# KiCad board kb.kicad_pcb (continued)
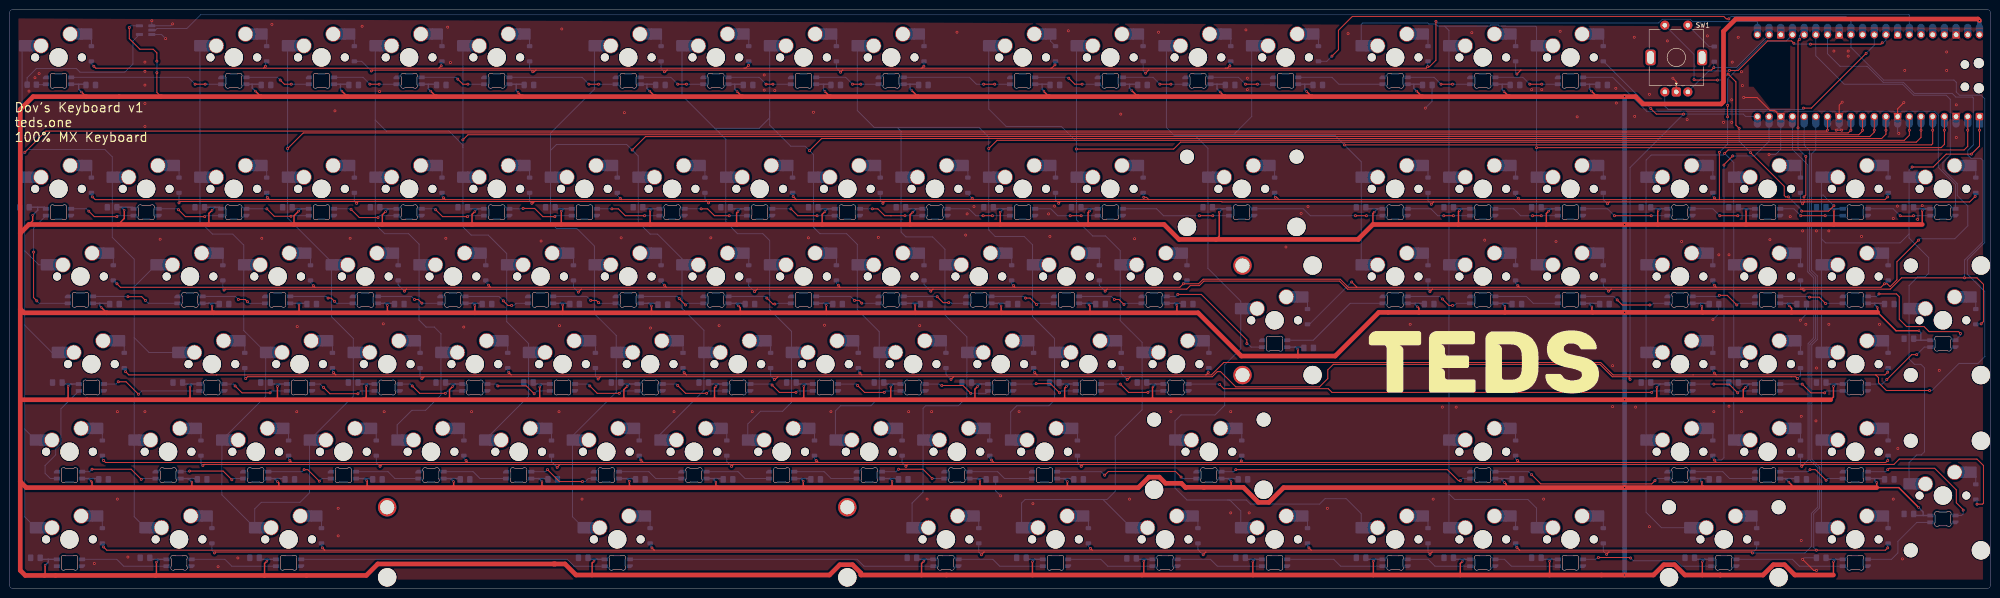
[diagram p0: board, top side]
## Routing (per net, layer and track width the routed paths; a pad name or vN(x,y) marks a point on that pad's centre or on a via; arc(x,y) is an arc through that point) (continued)
  Bottom w0.2: D101.1 308.38,7.93 v1(308.8,7.5) ; v1(259.5,7.4) 258.37,8.53 D99.1 ; v1(211.3,7.4) 210.74,7.96 D97.1 ; v1(347.2,7.5) 346.48,8.23 D103.1 ; A1.16 390.13,96.47 391.3,95.3 391.3,69.1 392.6,67.8 392.6,54.37 391.4,53.17 391.4,28.02 393.08,26.33 393.08,17.77 391.7,16.38 391.7,9.2 390.3,7.8 v1(378.9,7.8) 379.81,8.71 D104.1 ; v1(44.6,7.8) 44.06,8.34 D94.1
Net-(D1-A): length 3.1
  Bottom w0.25: D1.2 17.86,119.55 MX1.2
Net-(D2-A): length 3.1
  Bottom w0.2: D2.2 55.96,119.55 MX2.2
Net-(D3-A): length 3.1
  Bottom w0.2: MX3.2 75.01,119.55 D3.2
Net-(D4-A): length 3.1
  Bottom w0.2: D4.2 94.06,119.55 MX4.2
Net-(D5-A): length 3.1
  Bottom w0.2: MX5.2 113.11,119.55 D5.2
Net-(D6-A): length 3.1
  Bottom w0.2: D6.2 141.69,119.55 MX6.2
Net-(D7-A): length 3.1
  Bottom w0.2: MX7.2 160.74,119.55 D7.2
Net-(D8-A): length 3.1
  Bottom w0.2: D8.2 179.79,119.55 MX8.2
Net-(D9-A): length 3.1
  Bottom w0.2: D9.2 198.84,119.55 MX9.2
Net-(D10-A): length 3.1
  Bottom w0.2: MX10.2 226.36,119.02 D10.2
Net-(D11-A): length 3.1
  Bottom w0.2: MX11.2 246.46,119.55 D11.2
Net-(D12-A): length 3.1
  Bottom w0.2: MX12.2 265.51,119.55 D12.2
Net-(D13-A): length 3.1
  Bottom w0.2: MX13.2 284.56,119.55 D13.2
Net-(D14-A): length 3.1
  Bottom w0.2: D14.2 308.38,119.55 MX14.2
Net-(D15-A): length 3.1
  Bottom w0.2: D15.2 327.43,119.55 MX15.2
Net-(D16-A): length 3.1
  Bottom w0.2: MX16.2 346.48,119.55 D16.2
Net-(D17-A): length 3.1
  Bottom w0.2: D17.2 17.86,90.97 MX17.2
Net-(D18-A): length 3.1
  Bottom w0.2: MX18.2 36.91,90.97 D18.2
Net-(D19-A): length 3.1
  Bottom w0.2: D19.2 55.96,90.97 MX19.2
Net-(D20-A): length 3.1
  Bottom w0.2: D20.2 75.01,90.97 MX20.2
Net-(D21-A): length 3.1
  Bottom w0.2: MX21.2 94.06,90.97 D21.2
Net-(D22-A): length 3.1
  Bottom w0.2: D22.2 113.11,90.97 MX22.2
Net-(D23-A): length 3.1
  Bottom w0.2: MX23.2 132.16,90.97 D23.2
Net-(D24-A): length 3.1
  Bottom w0.2: MX24.2 151.21,90.97 D24.2
Net-(D25-A): length 3.1
  Bottom w0.2: MX25.2 170.26,90.97 D25.2
Net-(D26-A): length 3.1
  Bottom w0.2: D26.2 189.31,90.97 MX26.2
Net-(D27-A): length 3.1
  Bottom w0.2: D27.2 208.36,90.97 MX27.2
Net-(D28-A): length 3.1
  Bottom w0.2: MX28.2 227.41,90.97 D28.2
Net-(D29-A): length 3.1
  Bottom w0.2: MX29.2 246.46,90.97 D29.2
Net-(D30-A): length 3.1
  Bottom w0.2: D30.2 275.04,90.97 MX30.2
Net-(D31-A): length 3.1
  Bottom w0.2: D31.2 308.38,90.97 MX31.2
Net-(D32-A): length 3.1
  Bottom w0.2: MX32.2 327.43,90.97 D32.2
Net-(D33-A): length 3.1
  Bottom w0.2: D33.2 346.48,90.97 MX33.2
Net-(D34-A): length 3.1
  Bottom w0.2: MX34.2 370.29,90.97 D34.2
Net-(D35-A): length 3.1
  Bottom w0.2: MX35.2 389.34,90.97 D35.2
Net-(D36-A): length 3.1
  Bottom w0.2: MX36.2 408.39,90.97 D36.2
Net-(D37-A): length 3.1
  Bottom w0.2: MX37.2 427.44,90.97 D37.2
Net-(D38-A): length 3.1
  Bottom w0.2: MX38.2 22.63,71.92 D38.2
Net-(D39-A): length 3.1
  Bottom w0.2: MX39.2 46.44,71.92 D39.2
Net-(D40-A): length 3.1
  Bottom w0.2: D40.2 65.49,71.92 MX40.2
Net-(D41-A): length 3.1
  Bottom w0.2: MX41.2 84.54,71.92 D41.2
Net-(D42-A): length 3.1
  Bottom w0.2: D42.2 103.59,71.92 MX42.2
Net-(D43-A): length 3.1
  Bottom w0.2: MX43.2 122.64,71.92 D43.2
Net-(D44-A): length 3.1
  Bottom w0.2: D44.2 141.69,71.92 MX44.2
Net-(D45-A): length 3.1
  Bottom w0.2: MX45.2 160.74,71.92 D45.2
Net-(D46-A): length 3.1
  Bottom w0.2: MX46.2 179.79,71.92 D46.2
Net-(D47-A): length 3.1
  Bottom w0.2: D47.2 198.84,71.92 MX47.2
Net-(D48-A): length 3.1
  Bottom w0.2: MX48.2 217.89,71.92 D48.2
Net-(D49-A): length 3.1
  Bottom w0.2: MX49.2 236.94,71.92 D49.2
Net-(D50-A): length 3.1
  Bottom w0.2: D50.2 255.99,71.92 MX50.2
Net-(D51-A): length 3.1
  Bottom w0.2: D51.2 282.18,62.4 MX51.2
Net-(D52-A): length 3.1
  Bottom w0.2: D52.2 308.38,71.92 MX52.2
Net-(D53-A): length 3.1
  Bottom w0.2: MX53.2 327.43,71.92 D53.2
Net-(D54-A): length 3.1
  Bottom w0.2: MX54.2 346.48,71.92 D54.2
Net-(D55-A): length 3.1
  Bottom w0.2: D55.2 370.29,71.92 MX55.2
Net-(D56-A): length 3.1
  Bottom w0.2: MX56.2 389.34,71.92 D56.2
Net-(D57-A): length 3.1
  Bottom w0.2: MX57.2 408.39,71.92 D57.2
Net-(D58-A): length 3.1
  Bottom w0.2: D58.2 427.44,62.4 MX58.2
Net-(D59-A): length 3.1
  Bottom w0.2: D59.2 25.01,52.87 MX59.2
Net-(D60-A): length 3.1
  Bottom w0.2: D60.2 51.2,52.87 MX60.2
Net-(D61-A): length 3.1
  Bottom w0.2: MX61.2 70.25,52.87 D61.2
Net-(D62-A): length 3.1
  Bottom w0.2: D62.2 89.3,52.87 MX62.2
Net-(D63-A): length 3.1
  Bottom w0.2: MX63.2 108.35,52.87 D63.2
Net-(D64-A): length 3.1
  Bottom w0.2: MX64.2 127.4,52.87 D64.2
Net-(D65-A): length 3.1
  Bottom w0.2: MX65.2 146.45,52.87 D65.2
Net-(D66-A): length 3.1
  Bottom w0.2: D66.2 165.5,52.87 MX66.2
Net-(D67-A): length 3.1
  Bottom w0.2: MX67.2 184.55,52.87 D67.2
Net-(D68-A): length 3.1
  Bottom w0.2: D68.2 203.6,52.87 MX68.2
Net-(D69-A): length 3.1
  Bottom w0.2: MX69.2 222.65,52.87 D69.2
Net-(D70-A): length 3.1
  Bottom w0.2: D70.2 241.7,52.87 MX70.2
Net-(D71-A): length 3.1
  Bottom w0.2: MX71.2 260.75,52.87 D71.2
Net-(D72-A): length 3.1
  Bottom w0.2: D72.2 370.29,52.87 MX72.2
Net-(D73-A): length 3.1
  Bottom w0.2: MX73.2 389.34,52.87 D73.2
Net-(D74-A): length 3.1
  Bottom w0.2: D74.2 408.39,52.87 MX74.2
Net-(D75-A): length 3.1
  Bottom w0.2: D75.2 20.24,33.82 MX75.2
Net-(D76-A): length 3.1
  Bottom w0.2: MX76.2 41.68,33.82 D76.2
Net-(D77-A): length 3.1
  Bottom w0.2: MX77.2 60.73,33.82 D77.2
Net-(D78-A): length 3.1
  Bottom w0.2: D78.2 79.78,33.82 MX78.2
Net-(D79-A): length 3.1
  Bottom w0.2: MX79.2 98.83,33.82 D79.2
Net-(D80-A): length 3.1
  Bottom w0.2: MX80.2 117.88,33.82 D80.2
Net-(D81-A): length 3.1
  Bottom w0.2: MX81.2 136.93,33.82 D81.2
Net-(D82-A): length 3.1
  Bottom w0.2: D82.2 155.98,33.82 MX82.2
Net-(D83-A): length 3.1
  Bottom w0.2: D83.2 175.03,33.82 MX83.2
Net-(D84-A): length 3.1
  Bottom w0.2: MX84.2 194.08,33.82 D84.2
Net-(D85-A): length 3.1
  Bottom w0.2: D85.2 213.13,33.82 MX85.2
Net-(D86-A): length 3.1
  Bottom w0.2: D86.2 232.18,33.82 MX86.2
Net-(D87-A): length 3.1
  Bottom w0.2: D87.2 267.89,33.82 MX87.2
Net-(D88-A): length 3.1
  Bottom w0.2: D88.2 327.43,33.82 MX88.2
Net-(D89-A): length 3.1
  Bottom w0.2: MX89.2 370.29,33.82 D89.2
Net-(D90-A): length 3.1
  Bottom w0.2: MX90.2 389.34,33.82 D90.2
Net-(D91-A): length 3.1
  Bottom w0.2: MX91.2 408.39,33.82 D91.2
Net-(D92-A): length 3.1
  Bottom w0.2: MX92.2 427.44,24.3 D92.2
Net-(D93-A): length 3.1
  Bottom w0.2: MX93.2 20.24,14.77 D93.2
Net-(D94-A): length 3.1
  Bottom w0.2: D94.2 44.06,14.77 MX94.2
Net-(D95-A): length 3.1
  Bottom w0.2: D95.2 67.87,14.77 MX95.2
Net-(D96-A): length 3.1
  Bottom w0.2: D96.2 139.31,14.77 MX96.2
Net-(D97-A): length 3.1
  Bottom w0.2: D97.2 210.74,14.77 MX97.2
Net-(D98-A): length 3.1
  Bottom w0.2: MX98.2 234.56,14.77 D98.2
Net-(D99-A): length 3.1
  Bottom w0.2: D99.2 258.37,14.77 MX99.2
Net-(D100-A): length 3.1
  Bottom w0.2: D100.2 282.18,14.77 MX100.2
Net-(D101-A): length 3.1
  Bottom w0.2: MX101.2 308.38,14.77 D101.2
Net-(D102-A): length 3.1
  Bottom w0.2: MX102.2 327.43,14.77 D102.2
Net-(D103-A): length 3.1
  Bottom w0.2: D103.2 346.48,14.77 MX103.2
Net-(D104-A): length 3.1
  Bottom w0.2: D104.2 379.81,14.77 MX104.2
Net-(D105-A): length 3.1
  Bottom w0.2: MX105.2 408.39,14.77 D105.2
Net-(D106-A): length 7.7
  Bottom w0.2: SW1.S1 369.47,117.9 D106.2
Net-(LED1-DIN): length 1.9
  Bottom w0.2: LED1.3 7.91,109.6 6.1,109.6
Net-(LED1-DOUT): length 33.3
  Top w0.2: v1(40.4,109.7) v1(42.6,109.7)
  Bottom w0.2: LED2.3 43.11,109.69 43.1,109.7 v1(42.6,109.7) ; v1(40.4,109.7) 38.91,111.19 LED1.2
Net-(LED2-DOUT): length 14.2
  Top w0.2: v1(61.3,109.7) 59.8,109.7 v1(58.9,110.6)
  Bottom w0.2: LED2.2 58.31,111.19 v1(58.9,110.6) ; v1(61.3,109.7) 62.1,109.7 62.11,109.69 LED3.3
Net-(LED3-DOUT): length 14.2
  Top w0.2: v1(78.4,109.7) v1(80.4,109.7)
  Bottom w0.2: LED4.3 80.71,109.69 80.7,109.7 v1(80.4,109.7) ; LED3.2 76.91,111.19 v1(78.4,109.7)
Net-(LED4-DOUT): length 14.2
  Top w0.2: v1(99.7,109.7) 98.6,109.7 v1(97.5,110.8)
  Bottom w0.2: v1(97.5,110.8) 97.11,111.19 LED4.2 ; LED5.3 99.71,109.69 v1(99.7,109.7)
Net-(LED5-DOUT): length 23.7
  Top w0.2: v1(126,109.7) v1(128.1,109.7)
  Bottom w0.2: LED6.3 128.51,109.69 128.5,109.7 v1(128.1,109.7) ; LED5.2 124.51,111.19 v1(126,109.7)
Net-(LED6-DOUT): length 14.2
  Top w0.2: v1(145.3,109.7) v1(147.2,109.7)
  Bottom w0.2: v1(145.3,109.7) 143.81,111.19 LED6.2 ; LED7.3 147.91,109.69 147.9,109.7 v1(147.2,109.7)
Net-(LED7-DOUT): length 14.2
  Top w0.2: v1(164.5,109.7) v1(166,109.7)
  Bottom w0.2: v1(164.5,109.7) 163.01,111.19 LED7.2 ; v1(166,109.7) 166.01,109.69 LED8.3
Net-(LED8-DOUT): length 14.2
  Top w0.2: v1(183.3,109.7) v1(185.1,109.7)
  Bottom w0.2: v1(185.1,109.7) 185.6,109.7 185.61,109.69 LED9.3 ; LED8.2 181.81,111.19 v1(183.3,109.7)
Net-(LED10-DIN): length 23.7
  Top w0.2: v1(214.2,109.7) v1(211.8,109.7)
  Bottom w0.2: v1(211.8,109.7) 210.2,109.7 208.71,111.19 LED9.2 ; v1(214.2,109.7) 214.21,109.69 LED10.3
Net-(LED10-DOUT): length 14.2
  Top w0.2: v1(230.3,111) 231.6,109.7 v1(233.2,109.7)
  Bottom w0.2: v1(233.2,109.7) 233.21,109.69 LED11.3 ; LED10.2 230.11,111.19 v1(230.3,111)
Net-(LED11-DOUT): length 14.2
  Top w0.2: v1(250.1,109.7) v1(252.5,109.7)
  Bottom w0.2: LED11.2 248.61,111.19 v1(250.1,109.7) ; LED12.3 252.51,109.69 v1(252.5,109.7)
Net-(LED12-DOUT): length 14.2
  Top w0.2: v1(268.7,109.7) v1(271.3,109.7)
  Bottom w0.2: v1(271.3,109.7) 271.6,109.7 271.61,109.69 LED13.3 ; LED12.2 267.21,111.19 v1(268.7,109.7)
Net-(LED13-DOUT): length 19
  Bottom w0.2: LED13.2 287.51,111.19 289.01,109.69 LED14.3
Net-(LED14-DOUT): length 14.2
  Top w0.2: v1(311.2,109.7) v1(313.7,109.7)
  Bottom w0.2: LED15.3 314.11,109.69 314.1,109.7 v1(313.7,109.7) ; LED14.2 309.71,111.19 v1(311.2,109.7)
Net-(LED15-DOUT): length 14.2
  Top w0.2: v1(330.5,109.7) v1(333.1,109.7)
  Bottom w0.2: LED16.3 333.41,109.69 333.4,109.7 v1(333.1,109.7) ; LED15.2 329.01,111.19 v1(330.5,109.7)
Net-(LED16-DOUT): length 102.6
  Bottom w0.2: LED37.3 423.02,87.88 419.3,91.6 419.3,102.99 418.49,103.8 355.9,103.8 348.51,111.19 LED16.2
Net-(LED17-DIN): length 14.4
  Top w0.2: v1(17.3,82.1) 18.5,80.9 v1(23.4,80.9)
  Bottom w0.2: LED18.2 23.61,81.11 v1(23.4,80.9) ; v1(17.3,82.1) 16.79,82.61 LED17.3
Net-(LED17-DOUT): length 26.9
  Top w0.2: v1(5.3,73.2) 5.3,63.3 v1(6,62.6)
  Bottom w0.2: LED17.2 5.3,78.42 v1(5.3,73.2) ; LED38.3 6.54,62.06 v1(6,62.6)
Net-(LED18-DIN): length 14.4
  Top w0.2: v1(36.8,82.4) 38.3,80.9 v1(42.5,80.9)
  Bottom w0.2: v1(42.5,80.9) 42.71,81.11 LED19.2 ; LED18.3 36.59,82.61 v1(36.8,82.4)
Net-(LED19-DIN): length 14.3
  Top w0.2: v1(56,82.6) 57.61,80.99 v1(61.25,80.99)
  Bottom w0.2: v1(61.25,80.99) 61.37,81.11 LED20.2 ; v1(56,82.6) 55.99,82.61 LED19.3
Net-(LED20-DIN): length 14.6
  Top w0.2: v1(80.16,80.7) 76.1,80.7 v1(74.3,82.5)
  Bottom w0.2: LED21.2 80.57,81.11 v1(80.16,80.7) ; LED20.3 74.19,82.61 v1(74.3,82.5)
Net-(LED21-DIN): length 14.4
  Top w0.2: v1(99.6,80.9) 94.2,80.9 v1(92.7,82.4)
  Bottom w0.2: v1(99.6,80.9) 99.81,81.11 LED22.2 ; LED21.3 92.49,82.61 v1(92.7,82.4)
Net-(LED22-DIN): length 14.5
  Top w0.2: v1(118.6,80.9) 116,80.9 114.2,82.7 v1(111.7,82.7)
  Bottom w0.2: v1(111.7,82.7) 111.61,82.61 LED22.3 ; LED23.2 118.81,81.11 v1(118.6,80.9)
Net-(LED23-DIN): length 14.2
  Top w0.2: v1(138.1,81.1) 133.9,81.1 132.4,82.6 v1(131,82.6)
  Bottom w0.2: LED23.3 130.99,82.61 v1(131,82.6) ; v1(138.1,81.1) 138.5,81.1 138.51,81.11 LED24.2
Net-(LED24-DIN): length 14.2
  Top w0.2: v1(150.4,82.6) 151.8,82.6 153.3,81.1 v1(156.5,81.1)
  Bottom w0.2: LED25.2 156.51,81.11 v1(156.5,81.1) ; LED24.3 150.39,82.61 v1(150.4,82.6)
Net-(LED25-DIN): length 14.2
  Top w0.2: v1(169.9,82.6) 171.4,81.1 v1(175.6,81.1)
  Bottom w0.2: v1(169.9,82.6) 169.89,82.61 LED25.3 ; LED26.2 175.61,81.11 v1(175.6,81.1)
Net-(LED26-DIN): length 14.4
  Top w0.2: v1(194.7,81.1) 191.6,81.1 191.7,81.1 190.3,81.1 188.8,82.6 v1(187.6,82.6)
  Bottom w0.2: LED26.3 187.59,82.61 v1(187.6,82.6) ; LED27.2 194.71,81.11 v1(194.7,81.1)
Net-(LED27-DIN): length 14.8
  Top w0.2: v1(213.7,81.1) 211.4,81.1 v1(211.7,81.1)
  Bottom w0.2: v1(213.7,81.1) 213.71,81.11 LED28.2 ; LED27.3 208.59,82.61 210.1,81.1 v1(211.7,81.1)
Net-(LED28-DIN): length 14.2
  Top w0.2: v1(230.6,81.1) v1(233,81.1)
  Bottom w0.2: LED28.3 226.39,82.61 227.9,81.1 v1(230.6,81.1) ; v1(233,81.1) 233.01,81.11 LED29.2
Net-(LED29-DIN): length 23.8
  Top w0.2: v1(258.7,81.1) v1(261.6,81.1)
  Bottom w0.2: v1(258.7,81.1) 250.9,81.1 249.39,82.61 LED29.3 ; LED30.2 261.61,81.11 v1(261.6,81.1)
Net-(LED30-DIN): length 28.5
  Top w0.2: v1(292.6,81.1) v1(295,81.1)
  Bottom w0.2: LED31.2 295.01,81.11 v1(295,81.1) ; v1(292.6,81.1) 282.8,81.1 281.29,82.61 LED30.3
Net-(LED31-DIN): length 14.4
  Top w0.2: v1(311.8,81.1) v1(313.9,81.1)
  Bottom w0.2: LED31.3 308.99,82.61 310.5,81.1 311.9,81.1 v1(311.8,81.1) ; LED32.2 313.91,81.11 v1(313.9,81.1)
Net-(LED32-DIN): length 14.2
  Top w0.2: v1(331.1,81.1) v1(333,81.1)
  Bottom w0.2: v1(333,81.1) 333.01,81.11 LED33.2 ; LED32.3 326.99,82.61 328.5,81.1 v1(331.1,81.1)
Net-(LED33-DIN): length 19
  Top w0.2: v1(348.9,81.1) v1(356.9,81.1)
  Bottom w0.2: v1(348.9,81.1) 347.39,82.61 LED33.3 ; v1(356.9,81.1) 357.3,81.1 357.31,81.11 LED34.2
Net-(LED34-DIN): length 14.2
  Top w0.2: v1(371.8,81.1) v1(375.7,81.1)
  Bottom w0.2: v1(371.8,81.1) 370.29,82.61 LED34.3 ; v1(375.7,81.1) 375.71,81.11 LED35.2
Net-(LED35-DIN): length 14.2
  Top w0.2: v1(389.4,81.1) v1(394.7,81.1)
  Bottom w0.2: v1(389.4,81.1) 387.89,82.61 LED35.3 ; LED36.2 394.71,81.11 v1(394.7,81.1)
Net-(LED36-DIN): length 14.3
  Top w0.2: v1(413.9,81.1) 413.8,81 411.1,81 v1(411,81.1)
  Bottom w0.2: v1(413.9,81.1) 413.91,81.11 LED37.2 ; v1(411,81.1) 409.49,82.61 LED36.3
Net-(LED38-DOUT): length 19
  Top w0.2: v1(25.8,63.5) 28.8,63.5 v1(29.6,62.7)
  Bottom w0.2: v1(29.6,62.7) 30.24,62.06 LED39.3 ; v1(25.8,63.5) 25.74,63.56 LED38.2
Net-(LED39-DOUT): length 14.2
  Top w0.2: v1(51.8,62.4) 51.3,62.9 v1(49.8,62.9)
  Bottom w0.2: LED39.2 49.14,63.56 v1(49.8,62.9) ; v1(51.8,62.4) 52.14,62.06 LED40.3
Net-(LED40-DOUT): length 14.2
  Top w0.2: v1(69.3,63.2) 70,63.2 v1(70.7,62.5)
  Bottom w0.2: LED40.2 68.94,63.56 v1(69.3,63.2) ; v1(70.7,62.5) 71.14,62.06 LED41.3
Net-(LED41-DOUT): length 14.2
  Top w0.2: v1(89.7,62.1) 88.9,62.9 v1(88.1,62.9)
  Bottom w0.2: LED42.3 89.74,62.06 v1(89.7,62.1) ; v1(88.1,62.9) 87.44,63.56 LED41.2
Net-(LED42-DOUT): length 14.6
  Top w0.2: v1(107.4,62.6) 108.4,61.6 v1(109.2,61.6)
  Bottom w0.2: LED43.3 110.16,62.06 109.7,61.6 v1(109.2,61.6) ; v1(107.4,62.6) 106.44,63.56 LED42.2
Net-(LED43-DOUT): length 14.2
  Top w0.2: v1(128.1,62.2) 127.6,62.7 v1(126.4,62.7)
  Bottom w0.2: v1(126.4,62.7) 125.54,63.56 LED43.2 ; LED44.3 128.24,62.06 v1(128.1,62.2)
Net-(LED44-DOUT): length 14.5
  Top w0.2: v1(145.63,63.1) 145.63,63.07 v1(147,61.7)
  Bottom w0.2: LED45.3 147.36,62.06 v1(147,61.7) ; v1(145.63,63.1) 145.17,63.56 LED44.2
Net-(LED45-DOUT): length 14.4
  Top w0.2: v1(164.68,63.2) 165.98,61.9 v1(166.4,61.9)
  Bottom w0.2: v1(166.4,61.9) 166.8,61.9 166.96,62.06 LED46.3 ; v1(164.68,63.2) 164.32,63.56 LED45.2
Net-(LED46-DOUT): length 14.2
  Top w0.2: v1(183.73,62.7) 184.7,62.7 v1(185.3,62.1)
  Bottom w0.2: v1(185.3,62.1) 185.34,62.06 LED47.3 ; LED46.2 182.87,63.56 v1(183.73,62.7)
Net-(LED47-DOUT): length 14.2
  Top w0.2: v1(204.2,62.2) 203,62.2 v1(201.7,63.5)
  Bottom w0.2: LED48.3 204.84,62.06 204.7,62.2 v1(204.2,62.2) ; LED47.2 201.64,63.56 v1(201.7,63.5)
Net-(LED48-DOUT): length 14.4
  Top w0.2: v1(223.3,61.8) 221.9,63.2 v1(220.9,63.2)
  Bottom w0.2: v1(220.9,63.2) 220.54,63.56 LED48.2 ; LED49.3 223.56,62.06 v1(223.3,61.8)
Net-(LED49-DOUT): length 14.4
  Top w0.2: v1(240.2,62.9) 241.2,62.9 v1(242.3,61.8)
  Bottom w0.2: v1(242.3,61.8) 242.56,62.06 LED50.3 ; LED49.2 239.54,63.56 v1(240.2,62.9)
Net-(LED50-DOUT): length 26.1
  Top w0.2: v1(254,64) 259.1,64 269,54.1 v1(269,53.3)
  Bottom w0.2: v1(269,53.3) 269.2,53.3 269.96,52.54 LED51.3 ; v1(254,64) 253.56,63.56 LED50.2
Net-(LED51-DOUT): length 24.1
  Bottom w0.2: LED52.3 291.46,62.06 283.44,54.04 LED51.2
Net-(LED52-DOUT): length 14.6
  Top w0.2: v1(311.5,63) 312.9,61.6 v1(313.7,61.6)
  Bottom w0.2: LED53.3 314.56,62.06 314.1,61.6 v1(313.7,61.6) ; LED52.2 310.94,63.56 v1(311.5,63)
Net-(LED53-DOUT): length 14.2
  Bottom w0.2: LED54.3 331.24,62.06 329.74,63.56 LED53.2
Net-(LED54-DOUT): length 19.3
  Top w0.2: v1(356.6,61.7) 350.6,61.7 v1(349.5,62.8)
  Bottom w0.2: LED54.2 348.74,63.56 v1(349.5,62.8) ; v1(356.6,61.7) 357,61.7 357.36,62.06 LED55.3
Net-(LED55-DOUT): length 14.7
  Top w0.2: v1(375.5,61.7) 373.4,63.8 v1(371.7,63.8)
  Bottom w0.2: LED55.2 371.46,63.56 v1(371.7,63.8) ; v1(375.5,61.7) 375.86,62.06 LED56.3
Net-(LED56-DOUT): length 14.3
  Top w0.2: v1(394.8,62) 393.4,63.4 v1(391.3,63.4)
  Bottom w0.2: v1(394.8,62) 394.86,62.06 LED57.3 ; LED56.2 391.14,63.56 v1(391.3,63.4)
Net-(LED57-DOUT): length 28.7
  Top w0.2: v1(424.1,55.5) 423.7,55.9 417.3,55.9 416.2,57 412.4,57 410.8,58.6 410.8,63.5 410.2,64.1 v1(406.4,64.1)
  Bottom w0.2: LED58.3 424.1,55.12 v1(424.1,55.5) ; LED57.2 405.86,63.56 v1(406.4,64.1)
Net-(LED58-DOUT): length 16.9
  Top w0.2: v1(414.6,50.9) 413.5,50.9 v1(408.1,45.5)
  Bottom w0.2: v1(408.1,45.5) 407.11,44.51 LED74.3 ; LED58.2 416.24,52.54 v1(414.6,50.9)
Net-(LED59-DIN): length 22.4
  Top w0.2: v1(23.7,45) 25.4,45 v1(28.1,42.3)
  Bottom w0.2: v1(28.1,42.3) 28.81,43.01 LED60.2 ; LED59.3 23.21,44.51 v1(23.7,45)
Net-(LED59-DOUT): length 24
  Bottom w0.2: LED59.2 11.24,39.12 11.24,31.53 10.1,30.38 10.1,29.1 7.8,26.8 7.8,25.1 8.94,23.96 LED75.3
Net-(LED60-DIN): length 14.6
  Top w0.2: v1(56.7,42.6) 50.6,42.6 v1(49.1,44.1)
  Bottom w0.2: LED61.2 57.11,43.01 v1(56.7,42.6) ; v1(49.1,44.1) 48.69,44.51 LED60.3
Net-(LED61-DIN): length 14.7
  Top w0.2: v1(68.3,43.8) 69.7,42.4 v1(75.8,42.4)
  Bottom w0.2: v1(75.8,42.4) 76.41,43.01 LED62.2 ; LED61.3 67.59,44.51 v1(68.3,43.8)
Net-(LED62-DIN): length 14.6
  Top w0.2: v1(94.8,42.5) 89.2,42.5 v1(87.6,44.1)
  Bottom w0.2: LED63.2 95.31,43.01 v1(94.8,42.5) ; v1(87.6,44.1) 87.19,44.51 LED62.3
Net-(LED63-DIN): length 14.7
  Top w0.2: v1(106.2,44.1) 112.4,44.1 v1(114.1,42.4)
  Bottom w0.2: LED64.2 114.71,43.01 v1(114.1,42.4) ; v1(106.2,44.1) 105.79,44.51 LED63.3
Net-(LED64-DIN): length 14.6
  Top w0.2: v1(126.2,44.1) 127.8,42.5 v1(132.6,42.5)
  Bottom w0.2: LED65.2 133.11,43.01 v1(132.6,42.5) ; LED64.3 125.79,44.51 v1(126.2,44.1)
Net-(LED65-DIN): length 14.6
  Top w0.2: v1(151.6,42.5) 147,42.5 v1(145.3,44.2)
  Bottom w0.2: v1(145.3,44.2) 144.99,44.51 LED65.3 ; LED66.2 152.11,43.01 v1(151.6,42.5)
Net-(LED66-DIN): length 14.5
  Top w0.2: v1(171,42.7) 167.4,42.7 v1(165.8,44.3)
  Bottom w0.2: v1(165.8,44.3) 165.59,44.51 LED66.3 ; LED67.2 171.31,43.01 v1(171,42.7)
Net-(LED67-DIN): length 14.5
  Top w0.2: v1(190.2,42.7) 185.9,42.7 v1(184.4,44.2)
  Bottom w0.2: LED68.2 190.51,43.01 v1(190.2,42.7) ; LED67.3 184.09,44.51 v1(184.4,44.2)
Net-(LED68-DIN): length 14.6
  Top w0.2: v1(202.7,44.2) 207.3,44.2 v1(209,42.5)
  Bottom w0.2: v1(209,42.5) 212.27,42.5 LED69.2 ; v1(202.7,44.2) 202.4,44.2 202.09,44.51 LED68.3
Net-(LED69-DIN): length 14.6
  Top w0.2: v1(228.3,42.6) 226.3,44.6 v1(223.2,44.6)
  Bottom w0.2: LED70.2 228.71,43.01 v1(228.3,42.6) ; LED69.3 223.11,44.51 v1(223.2,44.6)
Net-(LED70-DIN): length 14.5
  Top w0.2: v1(247.5,42.7) 243.3,42.7 v1(241.5,44.5)
  Bottom w0.2: LED71.2 247.81,43.01 v1(247.5,42.7) ; LED70.3 241.49,44.51 v1(241.5,44.5)
Net-(LED71-DIN): length 105
  Top w0.2: v1(357,42.7) 287.5,42.7 286.7,43.5 264,43.5 v1(263.1,44.4)
  Bottom w0.2: LED71.3 262.99,44.51 v1(263.1,44.4) ; v1(357,42.7) 357.31,43.01 LED72.2
Net-(LED72-DIN): length 14.6
  Top w0.2: v1(375.7,42.6) 373.8,44.5 v1(370.5,44.5)
  Bottom w0.2: v1(375.7,42.6) 376.11,43.01 LED73.2 ; v1(370.5,44.5) 370.1,44.5 370.09,44.51 LED72.3
Net-(LED73-DIN): length 14.6
  Top w0.2: v1(389.7,44.5) 391.6,42.6 v1(394.6,42.6)
  Bottom w0.2: v1(394.6,42.6) 395.01,43.01 LED74.2 ; v1(389.7,44.5) 389.69,44.51 LED73.3
Net-(LED75-DOUT): length 17.2
  Top w0.2: v1(28.7,23.8) 26.5,26 v1(18,26)
  Bottom w0.2: v1(18,26) 17.46,25.46 LED75.2 ; v1(28.7,23.8) 28.86,23.96 LED76.3
Net-(LED76-DOUT): length 14.6
  Top w0.2: v1(39.2,25.6) 46.5,25.6 v1(48.4,23.7)
  Bottom w0.2: v1(39.2,25.6) 39.06,25.46 LED76.2 ; LED77.3 48.66,23.96 v1(48.4,23.7)
Net-(LED77-DOUT): length 15
  Top w0.2: v1(64.1,25.9) 64.9,25.9 v1(67.4,23.4)
  Bottom w0.2: LED78.3 67.96,23.96 v1(67.4,23.4) ; LED77.2 63.66,25.46 v1(64.1,25.9)
Net-(LED78-DOUT): length 14.2
  Bottom w0.2: LED79.3 83.84,23.96 82.34,25.46 LED78.2
Net-(LED79-DOUT): length 14.2
  Bottom w0.2: LED79.2 100.84,25.46 102.34,23.96 LED80.3
Net-(LED80-DOUT): length 15.1
  Top w0.2: v1(124.6,23.3) 119.6,23.3 v1(117,25.9)
  Bottom w0.2: v1(124.6,23.3) 125.2,23.3 125.86,23.96 LED81.3 ; v1(117,25.9) 116.56,25.46 LED80.2
Net-(LED81-DOUT): length 14.2
  Bottom w0.2: LED82.3 140.54,23.96 139.04,25.46 LED81.2
Net-(LED82-DOUT): length 14.2
  Bottom w0.2: LED83.3 159.94,23.96 158.44,25.46 LED82.2
Net-(LED83-DOUT): length 14.2
  Bottom w0.2: LED83.2 177.14,25.46 178.64,23.96 LED84.3
Net-(LED84-DOUT): length 14.7
  Top w0.2: v1(200.6,24) 198.6,26 v1(193.3,26)
  Bottom w0.2: LED85.3 200.64,23.96 v1(200.6,24) ; LED84.2 192.76,25.46 v1(193.3,26)
Net-(LED85-DOUT): length 14.2
  Bottom w0.2: LED86.3 216.34,23.96 214.84,25.46 LED85.2
Net-(LED86-DOUT): length 31.6
  Top w0.2: v1(238.1,24.7) 238.9,25.5 253.5,25.5 v1(254.7,24.3)
  Bottom w0.2: LED87.3 255.04,23.96 v1(254.7,24.3) ; LED86.2 237.34,25.46 v1(238.1,24.7)
Net-(LED87-DOUT): length 55.4
  Top w0.2: v1(315.4,23.5) 315,23.5 312.6,25.9 v1(266.6,25.9)
  Bottom w0.2: v1(315.4,23.5) 315.86,23.96 LED88.3 ; LED87.2 266.16,25.46 v1(266.6,25.9)
Net-(LED88-DOUT): length 39
  Top w0.2: v1(330.9,24.8) 332.9,22.8 357,22.8 v1(357.7,23.5)
  Bottom w0.2: v1(357.7,23.5) 358.16,23.96 LED89.3 ; LED88.2 330.24,25.46 v1(330.9,24.8)
Net-(LED89-DOUT): length 14.2
  Bottom w0.2: LED90.3 373.94,23.96 372.44,25.46 LED89.2
Net-(LED90-DOUT): length 14.9
  Top w0.2: v1(394.9,23.6) 392.6,25.9 v1(391.4,25.9)
  Bottom w0.2: v1(391.4,25.9) 390.96,25.46 LED90.2 ; v1(394.9,23.6) 395.26,23.96 LED91.3
Net-(LED91-DOUT): length 29.1
  Top w0.2: v1(408.3,25.9) 408.6,26.2 418.5,26.2 423.2,21.5 423.2,18.7 424.7,17.2 v1(424.7,17.1)
  Bottom w0.2: v1(408.3,25.9) 407.86,25.46 LED91.2 ; v1(424.7,17.1) 424.7,16.3 424.34,15.94 LED92.3
Net-(LED93-DIN): length 19
  Bottom w0.2: LED94.2 24.89,4.91 23.39,6.41 LED93.3
Net-(LED94-DIN): length 19
  Bottom w0.2: LED94.3 46.89,6.41 48.39,4.91 LED95.2
Net-(LED95-DIN): length 66.6
  Bottom w0.2: LED95.3 121.29,6.41 122.79,4.91 LED96.2
Net-(LED96-DIN): length 66.6
  Bottom w0.2: LED97.2 185.79,4.91 184.29,6.41 LED96.3
Net-(LED97-DIN): length 19
  Bottom w0.2: LED98.2 215.29,4.91 213.79,6.41 LED97.3
Net-(LED98-DIN): length 19
  Bottom w0.2: LED99.2 238.79,4.91 237.29,6.41 LED98.3
Net-(LED100-DIN): length 21.4
  Bottom w0.2: LED100.3 287.89,6.41 289.39,4.91 LED101.2
Net-(LED100-DOUT): length 19
  Bottom w0.2: LED99.3 261.09,6.41 262.59,4.91 LED100.2
Net-(LED101-DIN): length 14.2
  Bottom w0.2: LED102.2 309.89,4.91 308.39,6.41 LED101.3
Net-(LED102-DIN): length 14.2
  Bottom w0.2: LED103.2 326.49,4.91 324.99,6.41 LED102.3
Net-(LED103-DIN): length 28.8
  Top w0.2: v1(352.4,6.7) 352.3,6.8 v1(345.4,6.8)
  Bottom w0.2: LED103.3 344.81,6.41 345.2,6.8 v1(345.4,6.8) ; LED104.2 363.49,4.91 362.3,6.1 353,6.1 v1(352.4,6.7)
Net-(LED104-DIN): length 23.8
  Bottom w0.2: LED104.3 387.59,6.41 389.1,4.9 389.11,4.91 LED105.2
Net-(LED105-DIN): length 18.4
  Bottom w0.2: LED92.2 414.64,14.44 410.5,10.3 410.5,7.8 409.11,6.41 LED105.3
Net-(U1-Y): length 33.4
  Bottom w0.2: R1.1 3.9,111.1 5.9,113.1 14.6,113.1 15.4,112.3 25.1,112.3 26.9,114.1 26.9,119.1 U1.4

## Copper pours and planes (outline as drawn; the poured copper is in the pictures)
GND on Top, Bottom: 2,124 429,122 429,2 2,2

## Text on the board
B.Silkscreen: Pi Pico / HERE | Dov's Keyboard v1 / teds.one / 100% MX Keyboard
F.Silkscreen: Dov's Keyboard v1 / teds.one / 100% MX Keyboard
